# KiCad board 32X_VA2.kicad_pcb (continued)
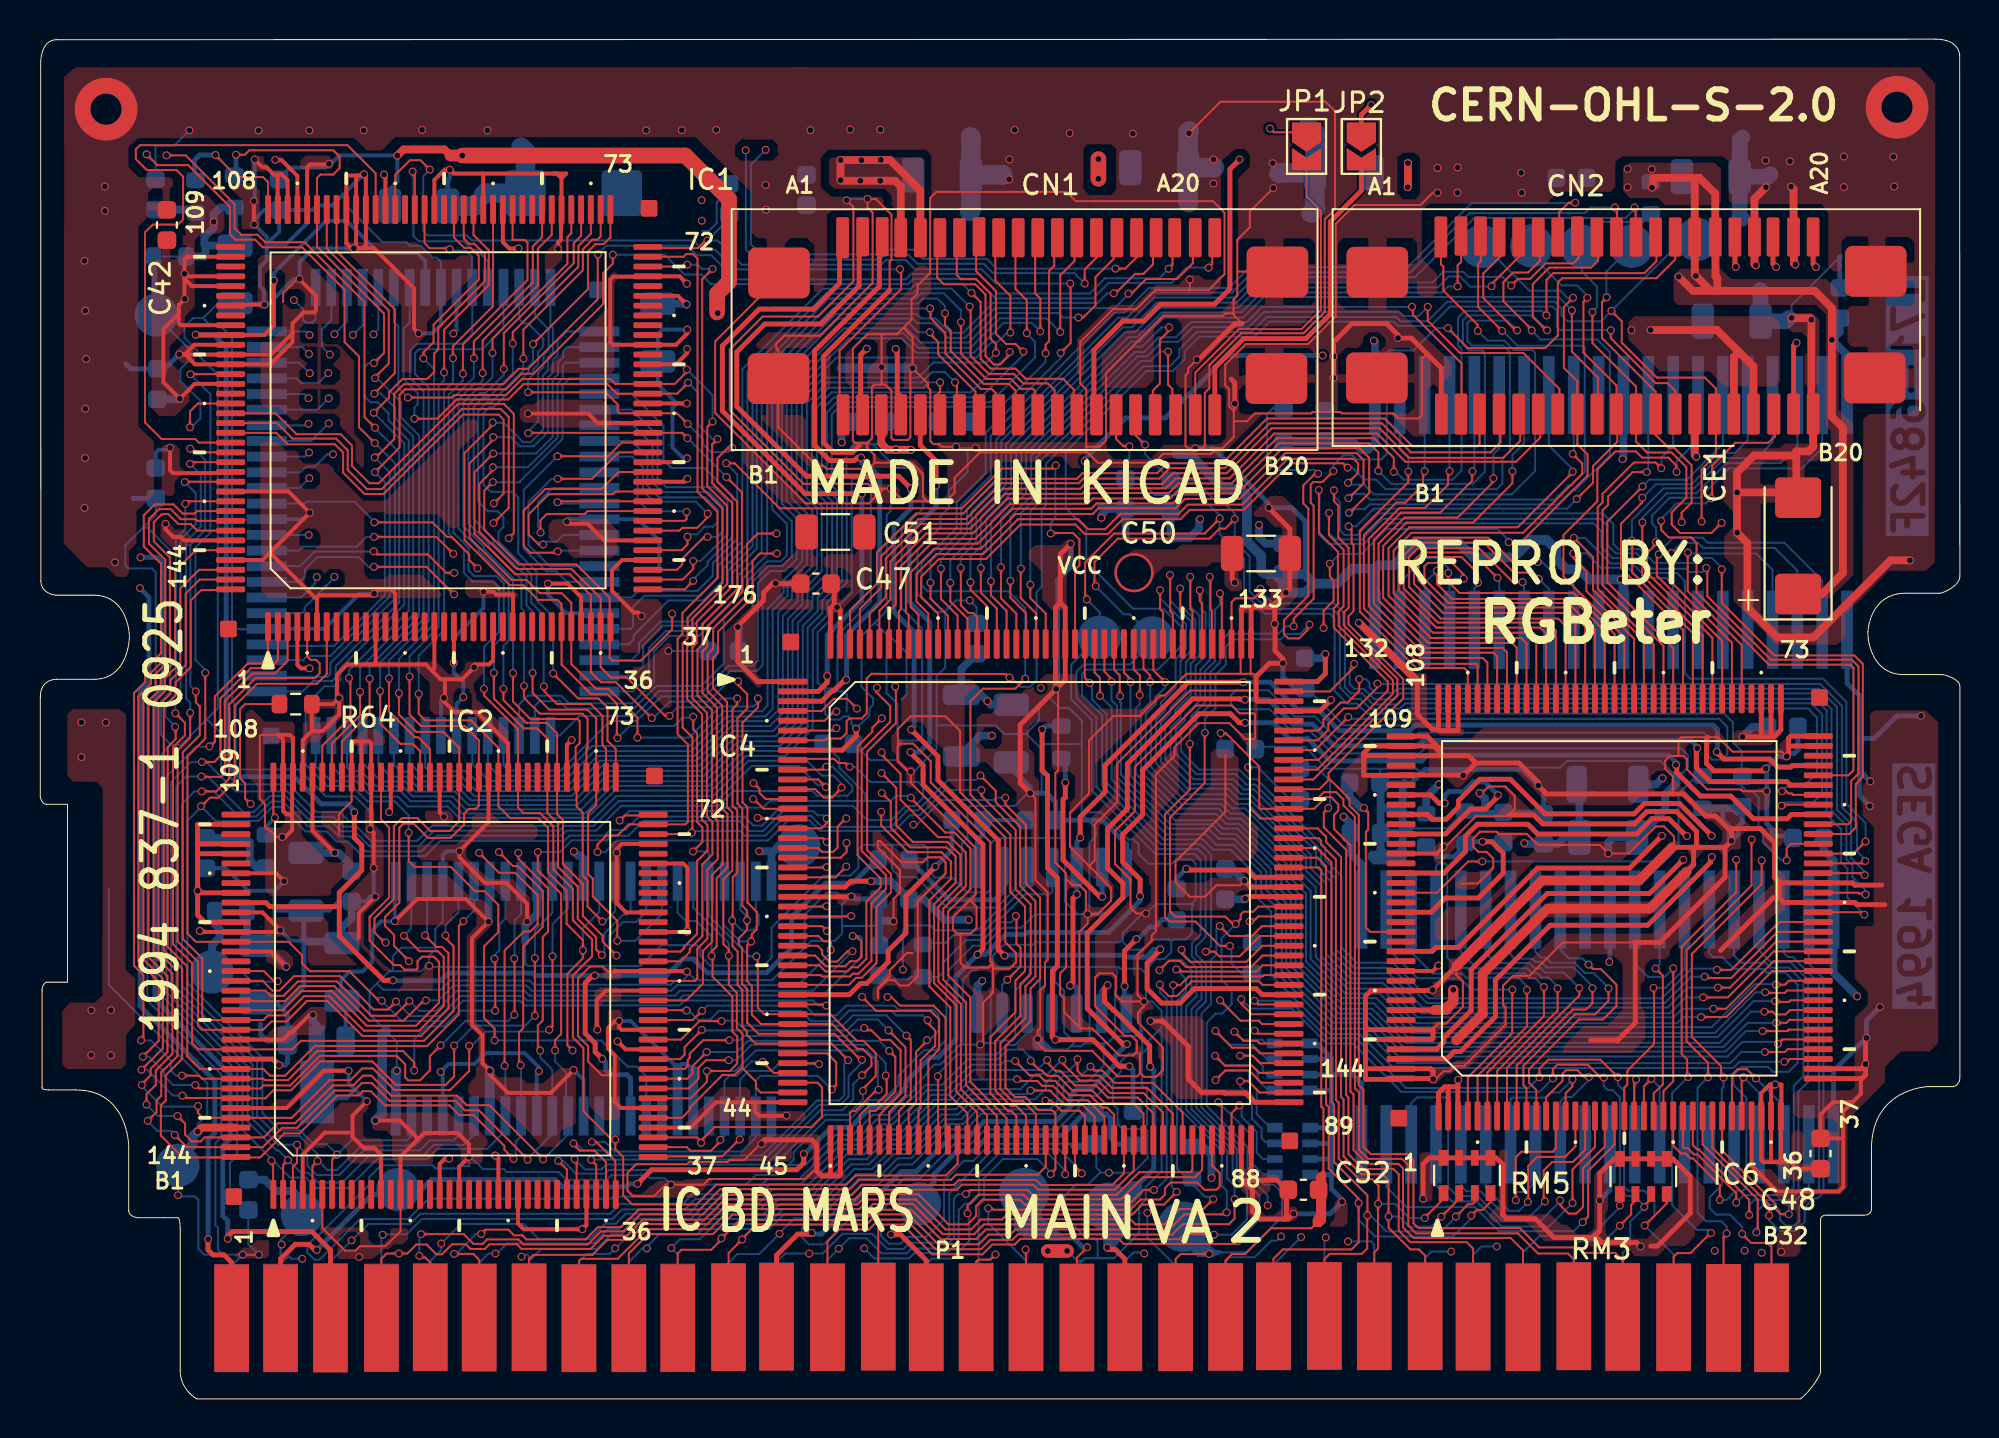
[diagram p0: board, top side]
## Footprints (pads in the part's own frame, mm; a bottom-side part is the same pattern mirrored in y, then rotated) (continued)
PQFP-80_14x20mm_P0.8mm
  rect 2.05x0.5 smd: 1(-8.5,9.2) 2(-8.5,8.4) 3(-8.5,7.6) 4(-8.5,6.8) 5(-8.5,6) 6(-8.5,5.2) 7(-8.5,4.4) 8(-8.5,3.6) 9(-8.5,2.8) 10(-8.5,2) 11(-8.5,1.2) 12(-8.5,0.4) 13(-8.5,-0.4) 14(-8.5,-1.2) 15(-8.5,-2) 16(-8.5,-2.8) 17(-8.5,-3.6) 18(-8.5,-4.4) 19(-8.5,-5.2) 20(-8.5,-6) 21(-8.5,-6.8) 22(-8.5,-7.6) 23(-8.5,-8.4) 24(-8.5,-9.2) 41(8.5,-9.2) 42(8.5,-8.4) 43(8.5,-7.6) 44(8.5,-6.8) 45(8.5,-6) 46(8.5,-5.2) 47(8.5,-4.4) 48(8.5,-3.6) 49(8.5,-2.8) 50(8.5,-2) 51(8.5,-1.2) 52(8.5,-0.4) 53(8.5,0.4) 54(8.5,1.2) 55(8.5,2) 56(8.5,2.8) 57(8.5,3.6) 58(8.5,4.4) 59(8.5,5.2) 60(8.5,6) 61(8.5,6.8) 62(8.5,7.6) 63(8.5,8.4) 64(8.5,9.2)
  rect 0.5x1.9 smd: 25(-6,-11.45) 26(-5.2,-11.45) 27(-4.4,-11.45) 28(-3.6,-11.45) 29(-2.8,-11.45) 30(-2,-11.45) 31(-1.2,-11.45) 32(-0.4,-11.45) 33(0.4,-11.45) 34(1.2,-11.45) 35(2,-11.45) 36(2.8,-11.45) 37(3.6,-11.45) 38(4.4,-11.45) 39(5.2,-11.45) 40(6,-11.45) 65(6,11.45) 66(5.2,11.45) 67(4.4,11.45) 68(3.6,11.45) 69(2.8,11.45) 70(2,11.45) 71(1.2,11.45) 72(0.4,11.45) 73(-0.4,11.45) 74(-1.2,11.45) 75(-2,11.45) 76(-2.8,11.45) 77(-3.6,11.45) 78(-4.4,11.45) 79(-5.2,11.45) 80(-6,11.45)
R_0603_1608Metric
  rrect 0.8x0.95 smd: 1(-0.825,0) 2(0.825,0)
R_Array_Convex_4x0603
  rect 0.8x0.5 smd: 1(-0.9,1.2) 4(-0.9,-1.2) 5(0.9,-1.2) 8(0.9,1.2)
  rect 0.8x0.4 smd: 2(-0.9,0.4) 3(-0.9,-0.4) 6(0.9,-0.4) 7(0.9,0.4)
SO-14_Dual_Purpose_P1.27mm
  rrect 0.61x2.075 smd: 1(-4.015,-4.008)
  rrect 0.65x2.025 smd: 2(-2.735,-4.082) 4(-0.185,-4.032) 5(1.065,-4.032) 6(2.365,-4.032)
  rrect 0.67x2.075 smd: 3(-1.445,-4.058)
  rrect 0.55x1.925 smd: 7(3.615,-4.032)
  rrect 0.6x2 smd: 8(3.6,3.43) 10(1.06,3.43) 11(-0.21,3.43) 12(-1.48,3.43)
  rrect 0.61x2 smd: 9(2.335,3.43) 14(-4.015,3.43)
  rrect 0.59x2.05 smd: 13(-2.755,3.405)
SO-Mix-40
  rect 0.6x4 smd: 1(-12.065,-6) 2(-10.795,-6) 3(-9.525,-6) 4(-8.255,-6) 5(-6.985,-6) 6(-5.715,-6) 7(-4.445,-6) 8(-3.175,-6) 9(-1.905,-6) 10(-0.635,-6) 11(0.635,-6) 12(1.905,-6) 13(3.175,-6) 14(4.445,-6) 15(5.715,-6) 16(6.985,-6) 17(8.255,-6) 18(9.525,-6) 19(10.795,-6) 20(12.065,-6) 21(12.065,6) 22(10.795,6) 23(9.525,6) 24(8.255,6) 25(6.985,6) 26(5.715,6) 27(4.445,6) 28(3.175,6) 29(1.905,6) 30(0.635,6) 31(-0.635,6) 32(-1.905,6) 33(-3.175,6) 34(-4.445,6) 35(-5.715,6) 36(-6.985,6) 37(-8.255,6) 38(-9.525,6) 39(-10.795,6) 40(-12.065,6)
SolderJumper-2_P1.3mm_Open_TrianglePad1.0x1.5mm
  custom 1.5x1.5 smd: 1(-0.725,0)
  custom 1.15x1.5 smd: 2(0.725,0)
SOT-89-3_Handsoldering
  rrect 1x1.5 smd: 1(1.6,2.7)
  custom 1.733x5.006 smd: 2(0.1,2.2)
  rrect 0.95x1.5 smd: 3(-1.375,2.65)
SSOP-50
  rect 0.5x2 smd: 1(-9.6,-6) 2(-8.8,-6) 3(-8,-6) 4(-7.2,-6) 5(-6.4,-6) 6(-5.6,-6) 7(-4.8,-6) 8(-4,-6) 9(-3.2,-6) 10(-2.4,-6) 11(-1.6,-6) 12(-0.8,-6) 13(0,-6) 14(0.8,-6) 15(1.6,-6) 16(2.4,-6) 17(3.2,-6) 18(4,-6) 19(4.8,-6) 20(5.6,-6) 21(6.4,-6) 22(7.2,-6) 23(8,-6) 24(8.8,-6) 25(9.6,-6) 26(9.6,6) 27(8.8,6) 28(8,6) 29(7.2,6) 30(6.4,6) 31(5.6,6) 32(4.8,6) 33(4,6) 34(3.2,6) 35(2.4,6) 36(1.6,6) 37(0.8,6) 38(0,6) 39(-0.8,6) 40(-1.6,6) 41(-2.4,6) 42(-3.2,6) 43(-4,6) 44(-4.8,6) 45(-5.6,6) 46(-6.4,6) 47(-7.2,6) 48(-8,6) 49(-8.8,6) 50(-9.6,6)

## Nets
+3.3V: C23.1 IC3.1 IC3.7 IC3.13 IC3.25 IC3.38 IC3.44 IC10.3
+5V: C1.1 C44.1 C45.1 CN1.B3 CN2.B16 CN2.B17 P1.a2 P1.a31
GND: C1.2 C2.2 C3.2 C4.2 C5.2 C6.2 C7.2 C8.2 C9.2 C10.2 C11.2 C12.2 C13.2 C14.2 C15.2 C16.2 C17.2 C18.2 C19.2 C20.2 C21.2 C22.2 C23.2 C25.2 C26.2 C27.2 C28.2 C29.2 C30.2 C31.2 C32.2 C33.2 C34.2 C35.2 C36.2 C37.2 C38.2 C39.2 C40.2 C41.2 C42.2 C43.2 C44.2 C45.2 C46.2 C47.2 C48.2 C50.2 C51.2 C52.2 C53.2 C96.2 C97.2 CE1.2 CE2.2 CN1.GND CN2.A17 CN2.A19 CN2.B1 CN2.B14 CN2.B20 CN2.GND IC1.6 IC1.14 IC1.20 IC1.26 IC1.33 IC1.42 IC1.50 IC1.56 IC1.62 IC1.69 IC1.78 IC1.86 IC1.91 IC1.98 IC1.99 IC1.100 IC1.106 IC1.107 IC1.115 IC1.119 IC1.120 IC1.121 IC1.134 IC1.141 IC2.6 IC2.14 IC2.20 IC2.26 IC2.33 IC2.42 IC2.50 IC2.56 IC2.62 IC2.69 IC2.78 IC2.86 IC2.91 IC2.98 IC2.99 IC2.100 IC2.106 IC2.107 IC2.115 IC2.119 IC2.121 IC2.134 IC2.141 IC3.4 IC3.10 IC3.26 IC3.31 IC3.32 IC3.41 IC3.47 IC3.50 IC4.8 IC4.23 IC4.45 IC4.46 IC4.87 IC4.88 IC4.111 IC4.130 IC4.133 IC4.134 IC4.152 IC4.153 IC4.175 IC4.176 IC5.5 IC5.12 IC5.33 IC5.53 IC5.59 IC5.71 IC6.33 IC6.37 IC6.38 IC6.55 IC6.57 IC6.71 IC6.72 IC6.109 IC6.110 IC6.111 IC6.113 IC6.121 IC6.135 IC6.139 IC6.140 IC6.143 IC6.144 IC7.21 IC7.30 IC7.40 IC8.21 IC8.30 IC8.40 IC9.7 IC10.1 P1.a1 P1.a18 P1.a32 R8.1 R9.1 RM3.5 RM3.6 RM3.7 RM3.8 RM4.5 RM4.6 RM4.7 RM4.8 RM5.5 RM5.6 RM5.7 RM5.8 RM6.5 RM6.6 RM6.7 RM6.8
VCC: C8.1 C9.1 C10.1 C12.1 C13.1 C15.1 C16.1 C17.1 C18.1 C19.1 C20.1 C21.1 C22.1 C27.1 C28.1 C29.1 C34.1 C35.1 C36.1 C37.1 C38.1 C39.1 C40.1 C41.1 C42.1 C43.1 C46.1 C47.1 C48.1 C50.1 C51.1 CE1.1 CE2.1 CN1.A4 CN1.A5 CN2.A14 CN2.A15 IC1.4 IC1.12 IC1.18 IC1.24 IC1.40 IC1.48 IC1.54 IC1.60 IC1.67 IC1.84 IC1.96 IC1.104 IC1.105 IC1.110 IC1.112 IC1.113 IC1.117 IC1.123 IC1.125 IC1.132 IC1.139 IC2.4 IC2.12 IC2.18 IC2.24 IC2.40 IC2.48 IC2.54 IC2.60 IC2.67 IC2.84 IC2.96 IC2.104 IC2.105 IC2.110 IC2.112 IC2.113 IC2.117 IC2.120 IC2.123 IC2.125 IC2.132 IC2.139 IC4.1 IC4.22 IC4.44 IC4.89 IC4.110 IC4.132 IC5.34 IC5.72 IC6.1 IC6.2 IC6.3 IC6.34 IC6.35 IC6.36 IC6.73 IC6.74 IC6.75 IC6.106 IC6.107 IC6.108 IC6.137 IC7.1 IC7.11 IC7.20 IC8.1 IC8.11 IC8.20 IC9.14 IC10.2 L1.1 L2.1 R1.1 R1.2 R2.2 R4.1 R4.2 R7.2 R63.2 R64.1 R65.1 R66.2
/32X Main 2/ED0: IC6.105 IC8.2
/32X Main 2/ED1: IC6.104 IC8.3
/32X Main 2/ED2: IC6.103 IC8.4
/32X Main 2/ED3: IC6.102 IC8.5
/32X Main 2/ED4: IC6.101 IC8.6
/32X Main 2/ED5: IC6.100 IC8.7
/32X Main 2/ED6: IC6.99 IC8.8
/32X Main 2/ED7: IC6.98 IC8.9
/32X Main 2/ED8: IC6.97 IC8.32
/32X Main 2/ED9: IC6.96 IC8.33
/32X Main 2/ED10: IC6.95 IC8.34
/32X Main 2/ED11: IC6.94 IC8.35
/32X Main 2/ED12: IC6.93 IC8.36
/32X Main 2/ED13: IC6.92 IC8.37
/32X Main 2/ED14: IC6.91 IC8.38
/32X Main 2/ED15: IC6.90 IC8.39
/32X Main 2/OD0: IC6.4 IC7.2
/32X Main 2/OD1: IC6.5 IC7.3
/32X Main 2/OD2: IC6.6 IC7.4
/32X Main 2/OD3: IC6.7 IC7.5
/32X Main 2/OD4: IC6.8 IC7.6
/32X Main 2/OD5: IC6.9 IC7.7
/32X Main 2/OD6: IC6.10 IC7.8
/32X Main 2/OD7: IC6.11 IC7.9
/32X Main 2/OD8: IC6.12 IC7.32
/32X Main 2/OD9: IC6.13 IC7.33
/32X Main 2/OD10: IC6.14 IC7.34
/32X Main 2/OD11: IC6.15 IC7.35
/32X Main 2/OD12: IC6.16 IC7.36
/32X Main 2/OD13: IC6.17 IC7.37
/32X Main 2/OD14: IC6.18 IC7.38
/32X Main 2/OD15: IC6.19 IC7.39
BFP: CN2.B19 IC6.141
CTA1: CN1.A20 IC5.4
CTA2: CN1.A18 IC5.3
CTA3: CN1.A16 IC5.2
CTA4: CN1.A14 IC5.1
CTA5: CN1.A12 IC5.80
CTA6: CN1.A10 IC5.79
CTA7: CN1.A8 IC5.78
CTA8: CN1.A6 IC5.77
CTA9: CN1.B6 IC5.76
CTA10: CN1.B7 IC5.75
CTA11: CN1.A7 IC5.74
CTA12: CN1.A9 IC5.73
CTA13: CN1.A11 IC5.70
CTA14: CN1.A13 IC5.69
CTA15: CN1.A15 IC5.68
CTA16: CN1.A17 IC5.67
CTA17: CN1.A19 IC5.66
CTA18: CN1.B8 IC5.65
CTA19: CN1.B9 IC5.64
CTA20: CN1.B10 IC5.63
CTA21: CN1.B11 IC5.62
CTA22: CN1.B12 IC5.61
CTA23: CN1.B13 IC5.60
CTD0: CN2.A2 IC4.159
CTD1: CN2.A5 IC4.160
CTD2: CN2.A8 IC4.161
CTD3: CN2.A11 IC4.162
CTD4: CN2.A10 IC4.163
CTD5: CN2.A7 IC4.164
CTD6: CN2.A4 IC4.165
CTD7: CN2.A1 IC4.166
CTD8: CN2.A3 IC4.167
CTD9: CN2.A6 IC4.168
CTD10: CN2.A9 IC4.169
CTD11: CN2.A12 IC4.170
CTD12: CN2.B6 IC4.171
CTD13: CN2.B5 IC4.172
CTD14: CN2.B4 IC4.173
CTD15: CN2.B3 IC4.174
EDCLK: C4.1 P1.b15 R62.1
FTOB: CN1.B1 IC1.95
IOB: CN2.A20 IC6.131
IOG: CN2.A18 IC6.123
IOR: CN2.A16 IC6.117
NTSC: CN2.B18 IC6.68
PCM0: CN1.A1 IC4.2
PCM1: CN1.A3 IC4.3
SCK: IC1.103 IC2.103 R2.1
SHA1: IC1.31 IC2.31 IC3.21 IC4.35 IC5.40
SHA2: IC1.32 IC2.32 IC3.22 IC4.36 IC5.41
SHA3: IC1.34 IC2.34 IC3.23 IC4.37 IC5.42
SHA4: IC1.35 IC2.35 IC3.24 IC4.38 IC5.43
SHA5: IC1.36 IC2.36 IC3.27 IC4.39 IC5.44
SHA6: IC1.37 IC2.37 IC3.28 IC4.40 IC5.45
SHA7: IC1.38 IC2.38 IC3.29 IC4.41 IC5.46
SHA8: IC1.39 IC2.39 IC3.30 IC4.42 IC5.47
SHA9: IC1.41 IC2.41 IC3.20 IC4.43 IC5.48
SHA10: IC1.43 IC2.43 IC3.19 IC4.47 IC5.49
SHA11: IC1.44 IC2.44 IC4.48 IC5.50
SHA12: IC1.45 IC2.45 IC4.49 IC5.51
SHA13: IC1.46 IC2.46 IC4.50 IC5.52
SHA14: IC1.47 IC2.47 IC4.51 IC5.54
SHA15: IC1.49 IC2.49 IC4.52 IC5.55
SHA16: IC1.51 IC2.51 IC4.53 IC5.56
SHA17: IC1.52 IC2.52 IC4.54 IC5.57
SHA18: IC1.53 IC2.53 IC5.39
SHA19: IC1.55 IC2.55 IC5.38
SHA20: IC1.57 IC2.57 IC5.31
SHA21: IC1.58 IC2.58 IC5.30
SHCLK: FB6.2 IC1.118 IC2.118 IC3.35 IC5.32
SHD0: IC1.130 IC2.130 IC3.2 IC4.26
SHD1: IC1.131 IC2.131 IC3.3 IC4.25
SHD2: IC1.133 IC2.133 IC3.5 IC4.24
SHD3: IC1.135 IC2.135 IC3.6 IC4.21
SHD4: IC1.136 IC2.136 IC3.8 IC4.20
SHD5: IC1.137 IC2.137 IC3.9 IC4.19
SHD6: IC1.138 IC2.138 IC3.11 IC4.18
SHD7: IC1.140 IC2.140 IC3.12 IC4.17
SHD8: IC1.142 IC2.142 IC3.39 IC4.16
SHD9: IC1.143 IC2.143 IC3.40 IC4.15
SHD10: IC1.144 IC2.144 IC3.42 IC4.14
SHD11: IC1.1 IC2.1 IC3.43 IC4.13
SHD12: IC1.2 IC2.2 IC3.45 IC4.12
SHD13: IC1.3 IC2.3 IC3.46 IC4.11
SHD14: IC1.5 IC2.5 IC3.48 IC4.10
SHD15: IC1.7 IC2.7 IC3.49 IC4.9
SHDREQ0: IC1.70 IC2.70 IC4.66
SHDREQ1: IC1.71 IC2.71 IC4.65
SHRDWR: IC1.77 IC2.77 IC3.15 IC4.59
SL1: CN1.B2 P1.b1
SR1: CN1.B4 P1.b3
TX0M: IC1.102 IC2.101
TX0S: IC1.101 IC2.102
VA1: IC4.84 IC5.29 P1.a17
VA2: IC4.83 IC5.28 P1.a15
VA3: IC4.82 IC5.27 P1.a13
VA4: IC4.81 IC5.26 P1.a11
VA5: IC4.80 IC5.25 P1.a9
VA6: IC4.79 IC5.24 P1.a7
VA7: IC4.78 IC5.23 P1.a5
VA8: IC4.77 IC5.22 P1.a3
VA9: IC4.76 IC5.21 P1.b4
VA10: IC4.75 IC5.20 P1.b5
VA11: IC4.74 IC5.19 P1.a4
VA12: IC4.73 IC5.18 P1.a6
VA13: IC4.72 IC5.17 P1.a8
VA14: IC4.71 IC5.16 P1.a10
VA15: IC4.70 IC5.15 P1.a12
VA16: IC4.69 IC5.14 P1.a14
VA17: IC4.68 IC5.13 P1.a16
VA18: IC4.67 IC5.11 P1.b6
VA19: IC4.101 P1.b7
VA20: IC4.102 P1.b8
VA21: IC4.103 P1.b9 R65.2
VA22: IC4.104 IC5.7 P1.b10 R64.2
VA23: IC4.105 IC5.6 P1.b11
VCLK: IC9.9 JP2.1 P1.b19
VD0: IC4.86 P1.a20 RM4.2
VD1: IC4.92 P1.a23 RM6.1
VD2: IC4.95 P1.a26 RM6.4
VD3: IC4.98 P1.a29 RM3.3
VD4: IC4.97 P1.a28 RM3.2
VD5: IC4.94 P1.a25 RM6.3
VD6: IC4.91 P1.a22 RM4.4
VD7: IC4.85 P1.a19 RM4.1
VD8: IC4.90 P1.a21 RM4.3
VD9: IC4.93 P1.a24 RM6.2
VD10: IC4.96 P1.a27 RM3.1
VD11: IC4.99 P1.a30 RM3.4
VD12: IC4.117 P1.b25 RM5.2
VD13: IC4.116 P1.b24 RM5.1
VD14: IC4.115 P1.b23 RM5.3
VD15: IC4.114 P1.b22 RM5.4
XEDCLK: IC6.69 IC9.5 IC9.10
~{ASEL}: FB3.1 P1.b26
~{AS}: JP1.1 P1.b18
~{BACKM}: IC1.93 IC5.36
~{BACKS}: IC2.92 IC5.37
~{BREQS}: IC1.92 IC2.93 IC5.35
~{CART}: CN2.B15 IC4.7 P1.b32
~{CAS0}: CN2.B13 IC4.106 P1.b16
~{CAS2}: C52.1 IC4.113 P1.b21
~{CASEL}: CN2.B7 IC4.155
~{CCAS0}: CN1.B17 IC4.157
~{CCAS2}: CN2.B2 IC4.156
~{CCE0}: CN1.B18 IC4.154
~{CE0}: IC4.107 P1.b17
~{CLWR}: CN2.B9 IC4.158
~{DTAK}: IC4.109 P1.b20 R63.1
~{HSYNC}: C3.1 CN1.B16 IC6.65 P1.b14
~{LWR}: IC4.120 P1.b28
~{M3}: CN2.B11 P1.b30 R66.1
~{MRES}: CN1.B5 IC6.64 P1.b2
~{SHBS}: IC1.76 IC2.76 IC4.60
~{SHCAS}: IC1.80 IC2.80 IC3.16
~{SHCKE}: IC1.88 IC3.34
~{SHCS0M}: C96.1 IC1.72 IC4.64
~{SHCS0S}: C97.1 IC2.72 IC4.63
~{SHCS1}: IC1.73 IC2.73 IC4.62
~{SHCS2}: IC1.74 IC2.74 IC4.61
~{SHCS3}: IC1.75 IC2.75 IC3.18
~{SHDQMLL}: IC1.85 IC2.85 IC3.14 IC4.57
~{SHDQMLU}: IC1.83 IC2.83 IC3.36 IC4.58
~{SHMIRL1}: IC1.128 IC4.30
~{SHMIRL2}: IC1.127 IC4.31
~{SHMIRL3}: IC1.126 IC4.32
~{SHRAS}: IC1.79 IC2.79 IC3.17
~{SHRD0}: IC4.56 IC9.12
~{SHRD}: IC1.87 IC2.87 IC9.3
~{SHRES}: IC1.122 IC2.122 IC4.34
~{SHSIRL1}: IC2.128 IC4.27
~{SHSIRL2}: IC2.127 IC4.28
~{SHSIRL3}: IC2.126 IC4.29
~{SHWAIT}: IC1.89 IC2.89 IC4.55
~{TIME}: CN2.B12 P1.b31
~{UWR}: CN2.B10 IC4.121 P1.b29
~{VRES}: C53.1 CN2.B8 IC4.119 P1.b27
~{VSYNC}: C2.1 CN1.B15 IC6.66 P1.b13
~{XAS}: CN2.A13 FB2.1
~{XRESET}: CN1.A2 IC4.100
~{YS0}: CN1.B14 IC6.142
~{YS}: IC6.67 P1.b12
Net-(C5-Pad1): C5.1 FB5.2 IC9.1
Net-(C11-Pad1): C11.1 R3.2
Net-(C14-Pad1): C14.1 R5.2
Net-(C26-Pad1): C26.1 IC9.13 R6.2
Net-(C30-Pad1): C30.1 C31.1 IC6.115 IC6.119 IC6.133 L2.2
Net-(CN1-GND/MAS): CN1.B19 JP1.2
Net-(CN1-GND/VCLK): CN1.B20 JP2.2
Net-(FB1-Pad1): FB1.1 IC9.8
Net-(FB6-Pad1): FB6.1 IC9.2
Net-(IC1-CAP1): IC1.108 R3.1
Net-(IC1-FTOA): IC1.97 IC1.129
Net-(IC2-CAP1): IC2.108 R5.1
Net-(IC2-FTOA): IC2.97 IC2.129
Net-(IC4A-AVDD): C6.1 C7.1 IC4.129 L1.2
Net-(IC4A-CKIO): FB5.1 IC4.33
Net-(IC4A-OVA19): IC4.4 IC5.10
Net-(IC4A-OVA20): IC4.5 IC5.9
Net-(IC4A-OVA21): IC4.6 IC5.8
Net-(IC4A-VCLK): FB1.2 IC4.112
Net-(IC4A-~{ASEL}): FB3.2 IC4.118
Net-(IC4A-~{AS}): FB2.2 IC4.108
Net-(IC4A-~{SEL}): IC4.151 IC5.58
Net-(IC4B-ACCS): C25.1 IC4.125 IC6.61
Net-(IC4B-AD0): IC4.135 IC6.54
Net-(IC4B-AD1): IC4.136 IC6.53
Net-(IC4B-AD2): IC4.137 IC6.52
Net-(IC4B-AD3): IC4.138 IC6.51
Net-(IC4B-AD4): IC4.139 IC6.50
Net-(IC4B-AD5): IC4.140 IC6.49
Net-(IC4B-AD6): IC4.141 IC6.48
Net-(IC4B-AD7): IC4.142 IC6.47
Net-(IC4B-AD8): IC4.143 IC6.46
Net-(IC4B-AD9): IC4.144 IC6.45
Net-(IC4B-AD10): IC4.145 IC6.44
Net-(IC4B-AD11): IC4.146 IC6.43
Net-(IC4B-AD12): IC4.147 IC6.42
Net-(IC4B-AD13): IC4.148 IC6.41
Net-(IC4B-AD14): IC4.149 IC6.40
Net-(IC4B-AD15): IC4.150 IC6.39
Net-(IC4B-C23): IC4.131 IC6.56
Net-(IC4B-DIR): IC4.126 IC6.59
Net-(IC4B-HINT): IC4.122 IC6.62
Net-(IC4B-RW): IC4.127 IC6.58
Net-(IC4B-VACK): IC4.124 IC6.60
Net-(IC4B-VINT): IC4.123 IC6.63
Net-(IC6-COMP): C32.1 IC6.129
Net-(IC6-EA0): IC6.84 IC8.15
Net-(IC6-EA1): IC6.83 IC8.16
Net-(IC6-EA2): IC6.82 IC8.17
Net-(IC6-EA3): IC6.81 IC8.18
Net-(IC6-EA4): IC6.80 IC8.19
Net-(IC6-EA5): IC6.79 IC8.22
Net-(IC6-EA6): IC6.78 IC8.23
Net-(IC6-EA7): IC6.77 IC8.24
Net-(IC6-IREF): IC6.125 R9.2
Net-(IC6-OA0): IC6.25 IC7.15
Net-(IC6-OA1): IC6.26 IC7.16
Net-(IC6-OA2): IC6.27 IC7.17
Net-(IC6-OA3): IC6.28 IC7.18
Net-(IC6-OA4): IC6.29 IC7.19
Net-(IC6-OA5): IC6.30 IC7.22
Net-(IC6-OA6): IC6.31 IC7.23
Net-(IC6-OA7): IC6.32 IC7.24
Net-(IC6-VREF): C33.1 IC6.127 R7.1 R8.2
Net-(IC6-~{ECAS}): IC6.88 IC8.29
Net-(IC6-~{ELWR}): IC6.86 IC8.13
Net-(IC6-~{EOE}): IC6.87 IC8.28
Net-(IC6-~{ERAS}): IC6.89 IC8.14
Net-(IC6-~{EUWR}): IC6.85 IC8.12
Net-(IC6-~{OCAS}): IC6.21 IC7.29
Net-(IC6-~{OLWR}): IC6.23 IC7.13
Net-(IC6-~{OOE}): IC6.22 IC7.28
Net-(IC6-~{ORAS}): IC6.20 IC7.14
Net-(IC6-~{OUWR}): IC6.24 IC7.12
Net-(IC9-Pad4): IC9.4 R6.1
Net-(IC9-Pad6): IC9.6 R61.2
Net-(IC9-Pad11): IC9.11 R61.1 R62.2

Pads without a net: IC1 8 9 10 11 13 15 16 17 19 21 22 23 25 27 28 29 30 59 61 63 64 65 66 68 81 82 90 94 109 111 114 116 124; IC2 8 9 10 11 13 15 16 17 19 21 22 23 25 27 28 29 30 59 61 63 64 65 66 68 81 82 88 90 94 95 109 111 114 116 124; IC3 33 37; IC4 128; IC6 70 76 112 114 116 118 120 122 124 126 128 130 132 134 136 138; IC7 10 25 26 27 31; IC8 10 25 26 27 31

## Via types
v1: diameter 0.4, hole 0.3, Top to Bottom, 929 vias
v2: diameter 3.2, hole 1.6, Top to Bottom, 2 vias
v3: diameter 2, hole 1.75, Top to Bottom, 1 via

## Routing (per net, layer and track width the routed paths; a pad name or vN(x,y) marks a point on that pad's centre or on a via; arc(x,y) is an arc through that point)
+3.3V: length 58.9
  Top w0.2: v1(27.32,16.81) 26.15,15.64 23.96,15.64 23.04,16.56 v1(23.04,16.77) 22.66,17.15 22.66,18.59 22.12,19.13 22.12,23.54 v1(22.97,24.39) 21.81,25.55 19.32,25.55 v1(18.18,24.41)
  In1.Cu w0.5: 28.39,26.92 35.73,26.92 v1(36.8,27.99) ; 28.39,26.92 26.23,26.92 23.7,24.39 v1(22.97,24.39) ; 28.39,26.92 v1(27.33,27.98)
  Bottom w0.2: IC3.38 27.83,16.3 v1(27.32,16.81) ; 22.97,26.4 IC3.7 ; 23.03,16.76 v1(23.04,16.77) ; IC10.3 15.67,20.2 15.43,20.43 15.43,21.4 15.87,21.84 16.52,21.84 17.03,22.35 17.03,23.96 17.48,24.41 v1(18.18,24.41) 18.18,26.41 IC3.1
  Bottom w0.4: v1(22.97,24.39) 22.97,26.4 ; v1(36.8,27.99) 37.33,27.99 37.43,27.89 ; IC3.13 27.83,27.59 27.65,27.77 27.54,27.77 v1(27.33,27.98) ; 37.43,27.89 37.87,28.33 38.84,28.33 ; 37.43,27.89 IC3.25
  Bottom w0.5: IC3.44 23.03,16.76
+5V: length 200.5
  Top w0.4: CN2.B17 87.62,52.77 86.88,53.51 ; 86.88,53.51 86.62,53.25 CN2.B16 ; 86.88,53.51 85.76,54.63 v1(82.36,54.63) ; CN1.B3 43.04,48.84 43.37,48.51 v1(44.56,48.51)
  In1.Cu w0.4: v1(12.39,7.89) 13.12,7.16 v1(13.45,7.16) ; v1(43.78,48.54) 43.81,48.51 v1(44.56,48.51)
  In1.Cu w0.5: 79.82,51.41 79.82,39.55 81.24,38.13 81.24,20.28 83.28,18.24 83.28,9.17 84.88,7.57 v1(85.64,7.57) ; 79.82,51.41 62.54,51.41 61.66,52.29 48.73,52.29 44.95,48.51 v1(44.56,48.51) ; 79.82,51.41 79.82,51.77 81.38,53.33 v1(81.38,54.63) v1(82.36,54.63) ; v1(85.64,7.57) 82.52,4.45 16.16,4.45 v1(13.45,7.16) ; v1(85.64,7.57) 87.16,7.57 v1(87.17,7.58)
  Bottom w0.1: P1.a2 12.34,7.84 v1(12.39,7.89) ; P1.a2 12.34,6.88 12.76,7.3 12.9,7.16 v1(13.45,7.16) ; P1.a2 12.34,8.12 13.61,9.39
  Bottom w0.4: 10.7,11.2 11.53,11.2 12.12,10.62 12.96,10.62 13.61,9.97 13.61,8.95 13.19,8.53
GND: length 2738.2
  Top w0.1: v1(10.41,7.37) v1(11.23,7.37) ; 45.4,45.88 45.17,46.11 45.17,47.29 44.61,47.85 42.7,47.85 ; 45.4,45.88 44.18,45.88 v1(43.53,46.53) 43.17,46.53 ; 45.4,45.88 45.43,45.85 46.32,45.85 46.79,46.32 46.79,47.08 48.09,48.38 ; v1(53.59,24.78) 53.5,24.87 53.5,25.93 53.17,26.26 52.81,26.26 52.48,26.59 ; v1(53.59,24.78) 54.11,24.78 54.78,25.45 54.78,26.13 53.67,27.24 ; v1(53.59,24.78) 53.59,24.29 53.17,23.87 53.17,19 53.24,18.93 53.83,18.93 55.21,17.55 55.92,17.55 56.1,17.73 56.1,18.28 55.82,18.56 55.48,18.56 53.97,20.07 53.97,21.54 54.18,21.75 54.85,21.75 55.02,21.58 55.02,20.63 55.34,20.31 v1(56.47,20.31) ; 83.79,32.86 83.35,32.86 83.11,32.62 83.11,32.21 83.51,31.81 83.51,30.92 ; 83.79,32.86 84.04,32.86 84.21,32.69 84.21,32.19 85.25,31.15 86.98,31.15 87.07,31.06 v1(88.3,31.06) ; 83.79,32.86 83.79,33.67 83.94,33.82 85.81,33.82 86.55,33.08 89.08,33.08 v1(89.32,32.84) ; v1(46.87,48.67) 46.13,48.67 46,48.8 45.71,48.8 45.55,48.96 45.55,51.58 45.43,51.7 45.43,51.89 v1(44.64,52.68) ; 44.17,54.74 44.59,55.16 44.59,56.2 44.89,56.5 44.89,56.9 45.54,57.55 45.54,61.38 45.85,61.69 52.51,61.69 52.98,61.22 59.99,61.22 60.58,60.62 60.58,57.48 59.77,56.67 58.76,56.67 ; 44.17,54.74 44.64,54.27 v1(44.64,52.68) ; 44.17,54.74 43.84,54.41 43.06,54.41 ; 61.06,50.49 61.06,49.97 ; 61.06,50.49 60.82,50.73 60.82,51.61 60.62,51.81 60.62,52.86 61.67,53.92 64.85,53.92 66.27,55.33 66.27,60.06 67.23,61.02 70.6,61.02 71.23,61.65 v1(71.47,61.65) ; 61.06,50.49 61.06,50.82 v1(61.11,50.87) ; 61.06,49.97 61.06,49.17 60.47,48.58 ; 61.06,49.97 61.74,49.97 62.14,50.37 65.01,50.37 65.08,50.44 66.51,50.44 66.58,50.37 69.21,50.37 69.47,50.11 70.52,50.11 70.68,50.27 70.68,53.17 70.93,53.42 ; 12.23,33.94 11.34,33.94 11.28,33.88 11.28,30.68 11.54,30.42 11.54,29.22 11.62,29.14 11.71,29.14 12.13,28.72 v1(12.43,28.72) ; 58.76,56.67 57.05,56.67 56.08,55.7 54.89,55.7 53.21,54.02 53.21,51.9 53.52,51.59 53.52,48.67 ; 58.76,56.67 58.81,56.72 v1(58.81,57.21) ; IC4.133 61.92,38.56 61.92,37.06 ; 37.82,57.55 37.82,57.31 34.55,54.05 34.55,50.4 39.18,45.77 42.41,45.77 43.17,46.53 ; CN1.GND 63.27,57.62 61.24,57.62 ; v1(71.25,16.34) 71.37,16.34 71.78,16.75 72.12,16.75 72.39,17.02 72.84,17.02 74.95,19.13 74.95,20 74.82,20.13 74.82,21.12 75.32,21.62 76.17,21.62 77.88,23.33 81.58,23.33 ; 53.67,27.24 52.69,28.22 52.69,29.97 53.66,30.94 53.66,33.66 54.91,34.91 56.26,34.91 57.3,35.95 57.53,35.95 58.64,37.06 61.41,37.06 ; 53.67,27.24 53.95,27.52 53.95,29.35 55.1,30.5 55.1,32.48 58.82,36.2 62.09,36.2 62.2,36.09 ; 43.06,54.41 42.32,54.41 41.59,53.68 41.59,48.97 41.7,48.86 42.25,48.86 ; 43.06,54.41 v1(43.06,52.73) 43.06,51.88 43.02,51.84 ; 61.92,37.06 62.06,37.06 62.2,36.92 ; 61.92,37.06 61.41,37.06 ; v1(56.57,24.81) 56.08,24.81 55.78,25.11 55.78,26.55 54.99,27.34 54.99,29.03 56,30.04 56,32.3 59.14,35.44 60.95,35.44 61.35,35.04 62.09,35.04 62.15,34.98 62.15,33.77 62.11,33.73 61.65,33.73 60.84,34.54 59.27,34.54 58.02,33.29 58.02,32.86 57.08,31.92 57.08,23.9 56.87,23.69 56.87,23.43 56.14,22.7 56.14,20.64 v1(56.47,20.31) ; v1(48.1,18.11) 48.25,18.26 48.25,20.26 48.75,20.76 48.75,21.98 ; 48.75,21.98 48.75,22.22 48.62,22.35 48.62,28.46 45.57,31.51 45.57,32.59 44.67,33.49 44.01,33.49 43.87,33.35 43.87,32.63 44.44,32.06 v1(44.55,32.06) 44.55,31.48 47.87,28.16 47.87,25.79 46.7,24.62 46.7,23.99 46.9,23.79 47.09,23.79 ; 48.75,21.98 49.58,21.98 49.93,22.33 49.93,22.79 49.38,23.34 49.38,28.7 47.07,31.01 47.07,34.14 46.32,34.89 44.54,34.89 43.89,34.24 43.89,33.48 ; 60.63,32.91 60.63,30.01 58.08,27.46 58.08,26.4 58.81,25.67 59.59,25.67 60.17,26.25 61.37,26.25 v1(61.6,26.48) ; IC2.14 18.47,8.57 17.7,7.8 16.39,7.8 16.17,7.58 15.63,7.58 14.47,8.74 IC2.6 ; v1(59.17,53.12) 58.73,52.68 58.73,52.46 58.59,52.32 58.59,48.72 58.73,48.58 v1(59.09,48.58) 59.43,48.58 59.58,48.73 59.58,51.42 59.81,51.65 59.81,52.83 61.45,54.47 64.63,54.47 65.71,55.55 65.71,60.28 66.23,60.8 66.23,65.82 65.75,66.3 60.38,66.3 v1(58.77,64.69) ; 47.63,25.43 47.91,25.15 47.91,24.07 47.63,23.79 47.09,23.79 ; v1(44.64,52.68) 44.53,52.57 44.53,49.15 44.39,49.01 43.67,49.01 43.56,49.12 43.56,51.53 43.25,51.84 43.02,51.84 ; 42.7,47.85 42.7,48.24 42.31,48.63 42.31,48.8 42.25,48.86 ; 42.7,47.85 42.39,47.54 40.24,47.54 40.08,47.7 39.74,47.7 37.79,49.65 CN1.GND 37.79,53.59 37.67,53.71 37.67,53.93 38.08,54.34 39.9,54.34 42.6,57.04 42.6,60.63 42.34,60.89 v1(42.34,61.33) 42.76,61.33 43.57,60.53 43.57,58.22 43.47,58.12 43.47,56.67 40.14,53.34 ; 43.17,46.53 42.6,46.53 42.36,46.77 39.07,46.77 35.3,50.54 35.3,53.64 36.98,55.32 39.81,55.32 41.61,57.12 41.61,60.92 v1(41.27,61.26) ; v1(56.47,20.31) 56.47,20.06 56.16,19.75 56.16,19.24 57.44,17.96 57.44,16.81 57.09,16.46 56.48,16.46 56.26,16.68 56.26,17.66 56.26,16.62 56.13,16.49 55.12,16.49 53.82,17.79 51.41,17.79 51.03,18.17 v1(51.03,18.39) 51.03,18.82 51.17,18.96 51.17,20.87 51.41,21.11 51.41,22.31 51.55,22.45 51.55,25.89 50.92,26.52 50.92,30.69 v1(50.65,30.96) ; 43.02,51.84 42.69,51.84 42.57,51.72 42.57,49.09 42.33,48.86 42.25,48.86 ; 53.52,48.67 53.52,48.44 53.46,48.38 ; 53.52,48.67 54.22,48.67 54.53,48.98 54.53,52.44 57.45,55.36 60.5,55.36 60.62,55.48 61.05,55.48 ; 61.05,55.48 61.05,55.4 61.49,54.96 ; 61.05,55.48 61.05,56.2 61.24,56.39 61.24,57.62 ; 39.74,11.65 39.57,11.65 39.16,11.24 34.24,11.24 33.95,10.95 v1(32.3,10.95) 32.02,10.95 31.43,10.36 30.35,10.36 30.07,10.64 30.07,11.55 30.52,12 33.11,12 33.22,12.11 35.18,12.11 35.27,12.2 36.03,12.2 36.86,13.03 v1(36.92,13.03) ; 60.47,48.58 59.92,48.58 ; 60.47,48.58 60.18,48.58 59.9,48.3 57.44,48.3 56.99,47.85 54.11,47.85 53.58,48.38 53.46,48.38 ; 61.41,37.06 61.41,38.55 IC4.134 ; 48.09,48.38 53.46,48.38 ; 48.09,48.38 v1(47.87,48.6) ; 44.64,22.79 44.35,22.79 43.47,21.91 43.47,21.59 42.87,20.99 42.87,20.48 42.87,20.93 43.33,21.39 43.73,21.39 43.99,21.13 44.43,21.13 44.91,21.61 44.91,25.43 46.33,26.85 46.33,27.42 46.07,27.68 45.42,27.68 45.17,27.43 44.07,27.43 42.98,28.52 42.87,28.52 42.87,28.17 44,27.04 44,25.89 43.67,25.56 v1(43.67,24.41) ; v1(71.77,28.22) 71.88,28.22 73.44,29.78 75.05,29.78 75.42,30.15 75.42,30.82 74.94,31.3 74.08,31.3 73.74,30.96 v1(73.62,30.96) ; 48.66,22.19 48.51,22.04 47.32,22.04 47.09,22.27 47.09,23.79 ; IC2.100 15.97,31.78 15.97,30.54 15.32,29.89 15.32,28.86 ; v1(51.98,36.29) 52.08,36.19 52.08,32.13 51.94,31.99 51.94,27.41 52.48,26.87 52.48,26.59 ; v1(51.55,7.56) 51.55,7.55 51.47,7.47 ; v1(63.08,61.89) 61.88,60.69 61.88,59.89 61.24,59.25 61.24,57.62 ; 71.24,18.86 71.24,18.91 71.51,19.18 71.91,19.18 72.77,20.04 72.77,21.33 72.43,21.67 72.43,22.11 ; 53.09,19.04 53.09,19.08 52.39,19.78 52.39,20.46 52.18,20.67 52.18,21.75 52.48,22.05 52.48,26.59 ; 83.56,28.19 83.56,28.75 83.05,29.26 82.63,29.26 81.25,27.88 v1(80.2,27.88) 79.77,28.31 76.62,28.31 76.32,28.61 76.31,28.61 76.05,28.87 74.61,28.87 74.49,28.99 73.64,28.99 73.3,28.65 73.3,28.22 73.56,27.96 73.98,27.96 74.32,27.62 74.32,27.14 73.52,26.34 72.67,26.34 ; 29.39,21.83 29.07,21.83 28.8,22.1 28.15,22.1 27.54,21.49 27.54,18.55 28.06,18.03 28.06,17.24 28.76,16.54 29.42,16.54 ; v1(13.31,57.24) 13.2,57.24 12.47,56.51 12.47,56.06
  Top w0.2: 19.37,13.29 18.43,14.23 v1(17.18,14.23) ; 19.37,13.29 18.47,12.39 IC2.14 ; 19.37,13.29 19.67,13.59 21.39,13.59 21.97,13.01 v1(21.97,12.37) 21.47,11.87 IC2.20 ; 12.93,29.88 12.93,29.07 12.58,28.72 v1(12.43,28.72) ; 12.93,29.88 12.93,31.73 IC2.106 12.97,33.78 12.81,33.94 12.23,33.94 12.47,33.7 12.47,31.78 IC2.107 12.47,30.04 12.63,29.88 12.93,29.88 ; 16.34,23.56 16.34,24.83 v1(17.18,25.67) ; IC2.78 26.97,33.43 v1(27.22,33.68) ; 14.2,40.96 14.32,41.08 17.05,41.08 v1(17.12,41.15) 17.34,41.37 18,41.37 18.2,41.17 IC1.14 ; 14.2,40.96 14.09,40.96 11.8,43.25 ; 14.2,40.96 IC1.6 ; v1(26,41.67) 27.01,41.67 27.7,40.98 IC1.33 ; 12.19,62.56 12.01,62.56 11.61,62.96 11.4,62.96 11.02,63.34 v1(11.02,63.35) ; 12.19,62.56 12.19,60.8 IC1.107 ; 12.19,62.56 12.2,62.57 12.41,62.57 12.7,62.28 IC1.106 ; 26.7,62.39 26.46,62.63 26.36,62.63 ; 26.7,62.39 IC1.78 26.67,60.76 26.67,59.25 26.52,59.1 v1(26.52,58.79) ; 26.7,62.39 26.94,62.63 26.36,62.63 ; 93.26,16.47 93.11,16.32 93.11,15.59 92.68,15.16 ; 16.51,33.61 16.12,33.61 15.97,33.46 IC2.100 ; 16.51,33.61 16.47,33.57 IC2.99 ; 16.51,33.61 16.87,33.61 16.97,33.51 16.97,31.78 IC2.98 16.97,29.19 v1(16.91,29.13) 17.1,28.94 v1(17.1,27.14) ; IC1.134 9.79,46.38 12.74,46.38 v1(13.83,45.29) 11.8,43.25 ; 12.95,54.47 11.86,53.38 IC1.120 7.17,53.38 v1(7.16,53.39) ; 12.95,54.47 12.95,54.97 13.51,55.53 14.05,55.53 14.15,55.63 14.15,56.38 13.31,57.22 v1(13.31,57.24) ; 12.95,54.47 12.95,54.02 11.81,52.88 IC1.121 7.97,52.88 7.46,53.39 v1(7.16,53.39) ; v1(33.13,54.66) 33.13,54.46 32.55,53.88 IC1.62 29.34,53.88 29.19,54.03 29.19,57.21 29.34,57.36 31.1,57.36 IC1.69 32.73,57.38 v1(33.11,57) ; 92.68,15.16 91.67,15.16 91.05,14.54 C48.2 92.14,13.31 92.21,13.38 ; 92.68,15.16 92.21,14.69 92.21,13.38 ; IC2.50 29.77,18.87 29.64,18.99 v1(29.64,19.31) 29.43,19.31 29.07,18.95 29.07,17.91 29.42,17.56 29.42,15.18 29.73,14.87 IC2.42 ; v1(11.51,55.93) 9.84,55.93 IC1.115 ; v1(10.99,60.03) 10.97,60.05 v1(10.97,61.22) ; 22.67,62.63 22.7,62.6 IC1.86 ; 22.67,62.63 26.36,62.63 ; 22.67,62.63 21.19,62.63 v1(20.99,62.83) 20.73,62.83 20.2,62.3 IC1.91 ; IC2.26 24.47,8.97 24.77,8.67 v1(27.76,8.67) 27.97,8.88 IC2.33 ; IC2.91 20.47,29.97 v1(20.69,29.75) ; v1(33.11,21.84) 33.08,21.87 IC2.56 29.42,21.87 29.39,21.83 ; IC2.115 12.11,26.87 v1(12.52,26.46) ; 16.2,62.53 16.54,62.53 v1(16.61,62.6) 16.7,62.51 IC1.98 16.7,58.98 16.53,58.81 v1(16.09,58.81) ; 16.2,62.53 15.7,62.53 IC1.100 15.7,59.07 15.96,58.81 v1(16.09,58.81) ; 16.2,62.53 IC1.99 16.2,58.92 v1(16.09,58.81) ; v1(26.97,44.83) 27.05,44.75 27.07,44.75 27.09,44.73 28.03,44.73 28.88,43.88 IC1.42 ; v1(33.11,50.88) 31.11,50.88 IC1.56 ; v1(33.12,48.08) 32.92,47.88 IC1.50 ; IC2.86 22.97,29.48 v1(21.48,27.99) 21.48,27.68 22.78,26.38 23.87,26.38 24.94,25.31 v1(24.94,24.4) ; IC2.69 29.79,28.37 29.52,28.1 v1(29.52,27.92) 29.52,25.34 29.99,24.87 IC2.62 ; v1(71.77,28.22) 71.42,27.87 IC6.121 ; v1(21.19,37.62) 21.2,37.63 IC1.20 ; v1(16.09,58.81) 17.12,58.81 19.16,56.77 19.16,54.7 v1(19.4,54.46) ; v1(7.16,53.39) 7.44,53.39 7.93,53.88 IC1.119 ; 11.8,43.25 11.42,42.88 IC1.141 ; IC6.33 87.52,11.92 88.84,10.6 91.97,10.6 92.21,10.84 92.21,13.38 ; IC2.119 11.42,24.87 12.32,23.96 v1(12.33,23.96) 12.23,23.87 IC2.121 8.27,23.87 v1(8.21,23.92) ; IC1.26 24.22,39.48 24.22,41.11 23.36,41.11 23.21,41.26 v1(22.71,41.26)